# Altium PCB higgs.PcbDoc (part 13 of 25)
Units mm, origin at the board's own origin, x right, y up, seen from the top; angles counter-clockwise.
Board outline 160 x 160 mm, 15 copper layers (TOP, P1(GND), S1(V), P2(GND), S2(H), P3(GND), S3(V12/V2V5), S4(VDDR), P4(GND), S5(V), P5(GND), S6(H), P6(GND), P1(GND) (Plane1), BOT), stack 3.262 mm thick; 1283 components, 2419 nets, 11066 pads, 5487 vias.
Unrouted connection lines stored in the file: 239.
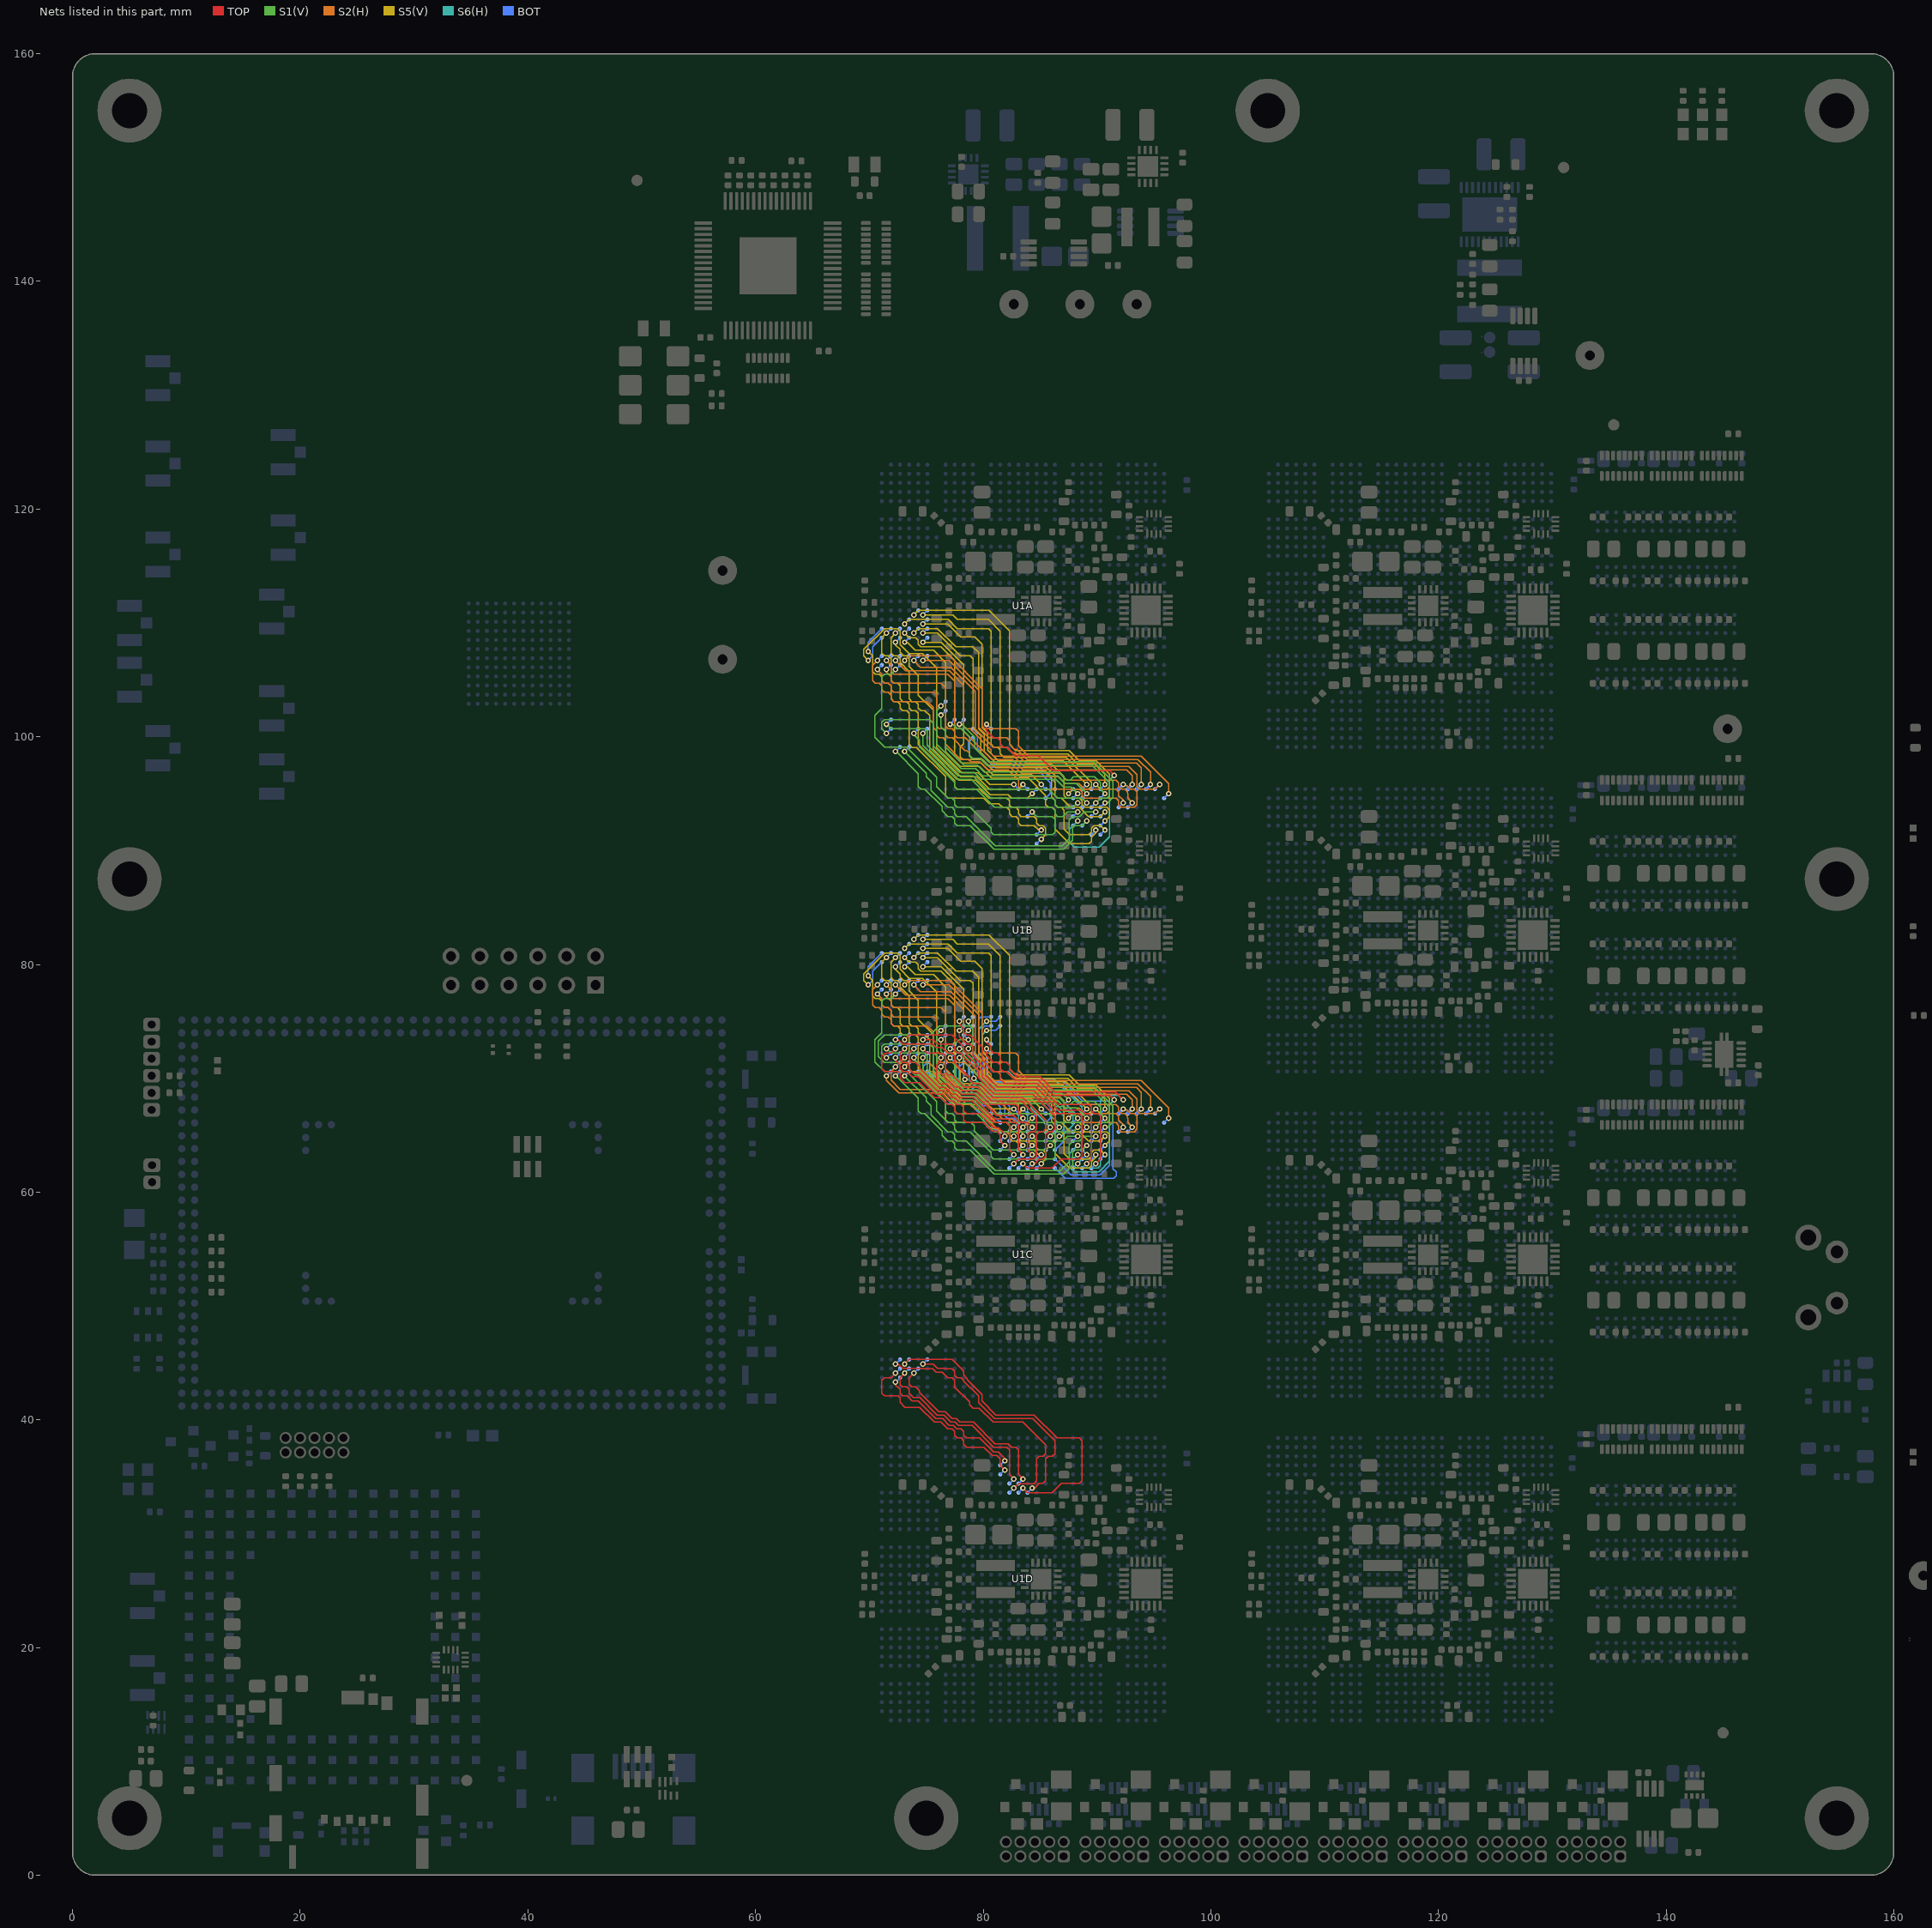
[diagram p26: the nets of this part, all layers, seen from the top]

## Via types
v1: diameter 0.483, hole 0.254, TOP to BOT, tented both sides, 5146 vias
v2: diameter 0.457, hole 0.254, TOP to BOT, tented both sides, 278 vias
v3: diameter 0.5, hole 0.25, TOP to BOT, 50 vias
v4: diameter 0.483/0/0/0/0.483/0/0/0.483 (per signal layer), hole 0.254, TOP to BOT, tented both sides, 7 vias
v5: diameter 0.483, hole 0.254, TOP to BOT, tented bottom, 5 vias
v6: diameter 0.483, hole 0.254, TOP to BOT, 1 vias

## Nets (pads, with @x,y where several pads share a name; then routed paths per layer and width w, separated by ;. In a path a pad name is that pad's centre, name@x,y a point inside that pad or via, vN(x,y) a via of type N, cw(c..) or ccw(c..) an arc to the next point about the centre after c; other vN are vias at no path point) (continued)
IL12_20.LR.G2.S_P: U1A.N30 U1B.AB5 | length 26.5
  TOP w0.102: v1(80.3,101.1) 80.3,100.536 80.935,99.901 81.264,99.901 81.499,99.665 81.499,99.336 81.735,99.101 82.064,99.101 82.832,98.333 84.856,98.333 86.19,96.999 91.118,96.999 v1@91.509,96.609
  S6(H) w0.102: v1(88.3,92.6) 87.596,91.896 87.596,90.708 88.009,90.295 90.191,90.295 91.099,91.204 91.099,96.199 v1(91.5,96.6)
  BOT w0.102: v1(80.3,101.1) U1A.N30@80.7,100.7 ; U1B.AB5@87.9,92.2 v1(88.3,92.6)
IL12_20.LR.G3.D0_N: U1A.E30 U1B.AB4 | length 19.5
  S1(V) w0.102: v1(73.9,100.3) 73.9,100.18 74.395,99.685 74.395,99.116 77.501,96.011 77.501,95.635 77.736,95.4 79.416,95.4 81.017,93.799 86.065,93.799 86.301,93.564 86.301,93.235 86.535,93.001 87,93.001 87.399,93.4 v1(88.3,93.4)
  BOT w0.102: v1(73.9,100.3) U1A.E30@74.3,100.7 ; U1B.AB4@87.9,93 v1(88.3,93.4)
IL12_20.LR.G3.D0_P: U1A.F30 U1B.AB3 | length 18.4
  S1(V) w0.102: v1(74.7,100.3) 74.7,99.242 77.67,96.272 78.975,96.272 80.647,94.6 86.105,94.6 86.299,94.405 86.299,94.3 86.301,94.298 86.301,94.035 86.535,93.801 86.998,93.801 87,93.799 87.899,93.799 v1(88.3,94.2)
  BOT w0.102: v1(74.7,100.3) U1A.F30@75.1,100.7 ; U1B.AB3@87.9,93.8 v1(88.3,94.2)
IL12_20.LR.G3.D1_N: U1A.D32 U1B.AD4 | length 24.4
  S1(V) w0.102: v1(73.099,98.699) 74.998,96.8 74.998,96.497 75.404,96.092 75.404,95.292 76.896,93.799 77.265,93.799 77.499,93.565 77.499,93.302 77.501,93.3 77.501,93.235 77.735,93.001 78.495,93.001 81.091,90.405 86.949,90.405 87.57,91.026 87.57,92.668 87.901,92.999 88.464,92.999 88.864,93.4 v1(89.9,93.4)
  BOT w0.102: v1(73.099,98.699) U1A.D32@73.5,99.1 ; U1B.AD4@89.5,93 v1(89.9,93.4)
IL12_20.LR.G3.D1_P: U1A.C32 U1B.AC5 | length 24.3
  S1(V) w0.102: v1@72.299,98.699 72.365,98.699 74.299,96.765 74.299,95.637 74.536,95.399 74.865,95.399 76.394,93.87 76.394,93.501 76.895,93 77.264,93 77.501,92.764 77.501,92.435 77.735,92.201 78.864,92.201 80.964,90.1 87.075,90.1 87.875,90.9 87.875,92.076 87.998,92.199 88.699,92.199 v1(89.1,92.6)
  BOT w0.102: v1@72.299,98.699 U1A.C32@72.7,99.1 ; U1B.AC5@88.7,92.2 v1(89.1,92.6)
  other v1: 72.3,98.7
IL12_20.LR.G3.D2_N: U1A.L30 U1B.Y1 | length 10.6
  BOT w0.102: U1A.L30@79.1,100.7 79.5,100.3 79.5,99 79.691,98.809 79.691,98.609 80.695,97.605 84.695,97.605 86.3,96 U1B.Y1@86.3,95.4
IL12_20.LR.G3.D2_P: U1A.L31 U1B.W2 | length 11.4
  BOT w0.102: U1A.L31@79.1,99.9 78.7,99.5 78.7,98.9 78.795,98.805 78.795,98.569 78.799,98.565 78.799,98.337 79.035,98.101 79.768,98.101 80.569,97.3 84.569,97.3 85.9,95.969 85.9,95 U1B.W2@85.5,94.6
IL12_20.LR.G3.D3_N: U1A.K29 U1B.AE3 | length 19.6
  S1(V) w0.102: v1(77.9,101.1) 78.136,101.1 79.264,99.971 79.264,99 80.464,97.8 89.695,97.8 91.404,96.092 91.404,94.668 90.936,94.2 v1(90.7,94.2)
  BOT w0.102: v1(77.9,101.1) U1A.K29@78.3,101.5 ; U1B.AE3@90.3,93.8 v1(90.7,94.2)
IL12_20.LR.G3.D3_P: U1A.J29 U1B.AD3 | length 20.9
  S1(V) w0.102: v1(77.1,101.1) 77.336,101.1 77.736,100.7 78.105,100.7 78.799,100.005 78.799,98.3 78.998,98.101 79.732,98.101 80.338,97.495 89.569,97.495 91.099,95.965 91.099,94.835 90.864,94.6 90.3,94.6 v1(89.9,94.2) v1@89.9,94.202
  BOT w0.102: v1(77.1,101.1) U1A.J29@77.5,101.5 ; U1B.AD3@89.5,93.8 v1(89.9,94.2)
IL12_20.LR.G3.D4_N: U1A.H28 U1B.AE2 | length 20.3
  S1(V) w0.102: v1(76.3,101.9) 76.3,100.864 76.699,100.465 76.699,99.105 78.313,97.491 79.48,97.491 80.086,96.886 86.65,96.886 87.335,96.201 87.665,96.201 87.937,96.472 89.792,96.472 90.299,95.965 90.299,95.801 90.301,95.799 90.301,95.401 90.7,95.002 v1(90.7,95)
  BOT w0.102: v1(76.3,101.9) U1A.H28@76.7,102.3 ; U1B.AE2@90.3,94.6 v1(90.7,95)
IL12_20.LR.G3.D4_P: U1A.H27 U1B.AC2 | length 19.7
  S1(V) w0.102: v1(76.3,102.7) 75.901,102.301 75.901,99.335 78.049,97.187 79.354,97.187 79.959,96.581 86.524,96.581 87.208,95.896 88.204,95.896 v1(89.1,95)
  BOT w0.102: v1(76.3,102.7) U1A.H27@76.7,103.1 ; U1B.AC2@88.7,94.6 v1(89.1,95)
IL12_20.LR.G3.S_N: U1A.B30 U1B.AB2 | length 23.4
  S1(V) w0.102: v1(71.5,100.3) 71.101,100.699 71.101,101.265 71.335,101.499 72.299,101.499 ; v1(88.3,95) 87.709,95.591 87.082,95.591 86.397,96.276 79.833,96.276 79.227,96.882 77.923,96.882 75.596,99.208 75.596,101.196 75.292,101.5 72.3,101.5 ; 72.299,101.499 72.3,101.5
  BOT w0.102: v1(71.5,100.3) U1A.B30@71.9,100.7 ; U1B.AB2@87.9,94.6 v1(88.3,95)
IL12_20.LR.G3.S_P: U1A.B29 U1B.AC3 | length 22.3
  S1(V) w0.102: v1(71.5,101.1) 71.9,100.7 74.864,100.7 75.099,100.465 75.099,99.274 77.797,96.577 79.101,96.577 80.277,95.401 85.735,95.401 86.535,94.601 86.798,94.601 86.8,94.599 88.701,94.599 v1(89.1,94.2)
  BOT w0.102: v1(71.5,101.1) U1A.B29@71.9,101.5 ; U1B.AC3@88.7,93.8 v1(89.1,94.2)
IL12_20.TB.G8.D0_N: U1A.B22 U1B.AH1 | length 30.4
  S2(H) w0.102: v1(71.5,106.7) 71.901,106.299 71.901,105.735 72.136,105.5 76.9,105.5 77.5,104.9 77.5,100.936 77.735,100.701 78.064,100.701 80.768,97.996 81.873,97.996 81.874,97.995 82.567,97.995 83.48,97.082 92.618,97.082 93.1,96.6 v1(93.1,95.8)
  BOT w0.102: v1(71.5,106.7) U1A.B22@71.9,107.1
  BOT w0.254: U1B.AH1@92.7,95.4 v1(93.1,95.8)
IL12_20.TB.G8.D0_P: U1A.A22 U1B.AG1 | length 36.1
  S2(H) w0.102: v1(70.7,106.7) 70.3,106.3 70.3,104.936 70.536,104.699 70.865,104.699 71.099,104.465 71.099,104.136 71.336,103.899 71.665,103.899 71.899,103.665 71.899,103.601 71.901,103.599 71.901,103.335 72.135,103.101 75.095,103.101 75.596,102.6 75.596,100.808 75.901,100.504 75.901,100.135 76.136,99.899 76.465,99.899 76.699,99.665 76.699,99.336 78.035,98.001 78.704,98.001 78.908,97.796 79.675,97.796 80.39,97.082 81.3,97.082 81.301,97.081 82.188,97.081 83.1,96.169 83.1,95.867 83.101,95.866 83.101,95.635 83.335,95.401 83.599,95.401 83.6,95.4 87.8,95.4 ; 87.801,95.399 88.465,95.399 88.699,95.165 88.699,94.902 88.701,94.9 88.701,94.835 88.935,94.601 89.735,94.601 89.736,94.599 91.665,94.599 91.899,94.365 91.899,94.101 91.901,94.099 91.901,94.035 92.135,93.801 93.265,93.801 93.499,94.035 93.499,95 93.499,95.165 93.265,95.399 92.936,95.399 92.631,95.705 92.395,95.705 v1(92.3,95.8)
  BOT w0.102: v1(70.7,106.7) U1A.A22@71.1,107.1
  BOT w0.254: U1B.AG1@91.9,95.4 v1(92.3,95.8)
IL12_20.TB.G8.D1_N: U1A.D22 U1B.AM2 | length 32.7
  S2(H) w0.102: v1(73.1,106.7) 73.499,107.099 77.025,107.099 79.901,104.223 79.901,103.4 79.901,101.9 79.901,101.265 79.901,100.935 80.135,100.701 82.864,100.701 83.099,100.465 83.099,99.187 83.985,98.301 93.899,98.301 96.3,95.9 v1(96.3,95)
  BOT w0.102: v1(73.1,106.7) U1A.D22@73.5,107.1 ; U1B.AM2@95.9,94.6 v1(96.3,95)
IL12_20.TB.G8.D1_P: U1A.C22 U1B.AL1 | length 32.1
  S2(H) w0.102: v1(72.3,106.7) 73.195,105.805 77.026,105.805 78.3,104.531 78.3,100.936 78.535,100.701 78.842,100.701 80.701,98.842 80.701,98.535 80.935,98.301 81.999,98.301 82,98.3 82.693,98.3 83.607,97.387 92.8,97.387 93.5,96.687 93.5,95.8 93.501,95.799 93.501,95.635 93.736,95.4 95.1,95.4 v1(95.5,95.8)
  BOT w0.102: v1(72.3,106.7) U1A.C22@72.7,107.1 ; U1B.AL1@95.1,95.4 v1(95.5,95.8)
IL12_20.TB.G8.D2_N: U1A.F22 U1B.AK1 | length 28.4
  S2(H) w0.102: v1(74.7,106.7) 76.993,106.7 79.596,104.097 79.596,100.808 80.504,99.901 82.064,99.901 82.299,99.665 82.299,99.337 82.726,98.91 82.946,98.91 83.859,97.996 93.604,97.996 94.7,96.9 v1(94.7,95.8)
  BOT w0.102: v1(74.7,106.7) U1A.F22@75.1,107.1
  BOT w0.254: U1B.AK1@94.3,95.4 v1(94.7,95.8)
IL12_20.TB.G8.D2_P: U1A.E22 U1B.AJ1 | length 28.4
  S2(H) w0.102: v1(73.9,106.7) 74.49,106.11 77.153,106.11 79.291,103.971 79.291,100.682 80.873,99.101 82.104,99.101 82.6,98.605 82.819,98.605 83.733,97.691 93.478,97.691 93.9,97.269 v1(93.9,95.8)
  BOT w0.102: v1(73.9,106.7) U1A.E22@74.3,107.1
  BOT w0.254: U1B.AJ1@93.5,95.4 v1(93.9,95.8)
IL12_20.TB.G8.D3_N: U1A.B23 U1B.AH3 | length 30.6
  S2(H) w0.102: v1(71.5,105.9) 71.5,105.664 71.899,105.265 71.899,105.001 71.901,104.999 71.901,104.935 72.136,104.7 76.299,104.7 76.701,104.298 76.701,100.935 76.935,100.701 77.264,100.701 77.501,100.464 77.501,100.135 77.735,99.901 78.432,99.901 80.642,97.691 81.747,97.691 ; v1(93.1,94.2) 93.1,94.202 92.701,94.601 92.701,94.999 92.699,95.001 92.699,95.165 92.464,95.4 92.136,95.4 91.899,95.636 91.899,95.965 91.665,96.199 91.302,96.199 91.3,96.201 87.335,96.201 86.759,96.777 83.354,96.777 82.441,97.69 81.748,97.69 ; 81.747,97.691 81.748,97.69
  BOT w0.102: v1(71.5,105.9) U1A.B23@71.9,106.3 ; U1B.AH3@92.7,93.8 v1(93.1,94.2)
IL12_20.TB.G8.D3_P: U1A.A23 U1B.AG3 | length 30.4
  S2(H) w0.102: v1(70.7,105.9) 71.099,105.501 71.099,104.936 71.336,104.699 71.665,104.699 71.901,104.464 71.901,104.135 72.135,103.901 75.699,103.901 75.901,103.699 75.901,101.265 75.901,100.935 76.136,100.699 76.465,100.699 76.699,100.465 76.699,100.137 76.935,99.901 77.304,99.901 78.405,98.799 78.565,98.799 78.799,98.565 78.799,98.337 79.035,98.101 79.801,98.101 80.516,97.387 81.62,97.387 81.621,97.386 82.314,97.386 83.228,96.472 86.632,96.472 87.208,95.896 88.439,95.896 88.936,95.4 91.6,95.4 ; 91.601,95.399 91.665,95.399 91.901,95.164 91.901,94.835 92.3,94.436 v1(92.3,94.2)
  BOT w0.102: v1(70.7,105.9) U1A.A23@71.1,106.3 ; U1B.AG3@91.9,93.8 v1(92.3,94.2)
IL12_20.TB.G13.C_N: U1A.F17 U1B.AE1 | length 29.6
  S5(V) w0.102: v1(74.7,110.7) 77.336,110.7 77.735,110.301 80.464,110.301 81.499,109.265 81.499,109.101 81.5,99.336 81.735,99.101 81.999,99.101 82.001,99.099 82.065,99.099 82.668,98.497 87.426,98.497 88.327,97.595 89.8,97.595 90.7,96.695 v1(90.7,95.8)
  BOT w0.102: v1(74.7,110.7) U1A.F17@75.1,111.1 ; U1B.AE1@90.3,95.4 v1(90.7,95.8)
IL12_20.TB.G13.C_P: U1A.E17 U1B.AD1 | length 32.8
  S5(V) w0.102: v1(73.9,110.7) 74.3,111.1 80.5,111.1 82.299,109.301 82.299,99.336 82.834,98.802 87.552,98.802 88.453,97.9 89.926,97.9 91.099,96.727 91.099,95.635 90.865,95.401 90.299,95.401 v1(89.9,95.8)
  BOT w0.102: v1(73.9,110.7) U1A.E17@74.3,111.1 ; U1B.AD1@89.5,95.4 v1(89.9,95.8)
IL12_20.TB.G13.D0_N: U1A.F18 U1B.AC1 | length 26.5
  S5(V) w0.102: v1(74.7,109.9) 76.905,109.9 78.037,108.768 79.268,108.768 79.901,108.135 79.901,101.1 79.901,100.836 80.394,100.342 80.394,98.841 81.348,97.887 87.013,97.887 v1(89.1,95.8)
  BOT w0.102: v1(74.7,109.9) U1A.F18@75.1,110.3 ; U1B.AC1@88.7,95.4 v1(89.1,95.8)
IL12_20.TB.G13.D0_P: U1A.D18 U1B.AB1 | length 32.3
  S5(V) w0.102: v1(73.1,109.9) v1(73.1,109.9) 73.501,110.299 73.899,110.299 ; 73.9,110.3 76.936,110.3 77.735,109.501 80.464,109.501 80.699,109.265 80.699,99.6 80.701,99.598 80.701,99.335 80.936,99.099 81.265,99.099 81.5,98.864 81.5,98.536 81.844,98.192 87.299,98.192 89.5,95.991 89.5,95.636 89.265,95.401 87.901,95.401 v1(87.5,95)
  BOT w0.102: v1(73.1,109.9) U1A.D18@73.5,110.3 ; v1(87.5,95) U1B.AB1@87.9,95.4
IL12_20.TB.G13.D1_N: U1A.B19 U1B.V7 | length 29.5
  S5(V) w0.102: v1(71.5,109.1) 71.101,108.701 71.101,107.335 71.336,107.099 71.665,107.099 71.899,106.865 71.899,106.701 71.901,106.699 71.901,104.935 72.135,104.701 72.464,104.701 72.701,104.464 72.701,103.335 72.935,103.101 73.098,103.101 73.1,103.099 73.265,103.099 73.501,102.864 73.501,102.535 73.736,102.299 74.065,102.299 74.301,102.064 74.301,99.344 77.499,96.146 77.499,95.636 77.736,95.4 79.695,95.4 80.496,94.599 82.065,94.599 82.299,94.365 82.299,94.035 82.28,94.016 82.496,93.799 82.865,93.799 83.099,93.565 83.099,93.236 83.336,92.999 84.465,92.999 84.699,92.765 84.699,92.401 84.9,92.2 85.264,92.2 85.499,91.965 85.499,91.399 v1(85.1,91)
  BOT w0.102: v1(71.5,109.1) U1A.B19@71.9,109.5 ; U1B.V7@84.7,90.6 v1(85.1,91)
IL12_20.TB.G13.D1_P: U1A.A19 U1B.V6 | length 29.6
  S5(V) w0.102: v1(69.9,107.5) 70.3,107.1 70.3,106.601 ; 70.301,106.6 70.301,105.735 70.536,105.499 70.865,105.499 71.101,105.264 71.101,104.935 71.335,104.701 71.664,104.701 71.899,104.465 71.899,103.336 72.135,103.101 72.464,103.101 72.7,102.864 72.7,102.7 ; 72.701,102.7 72.701,102.535 72.936,102.299 73.265,102.299 73.499,102.065 73.499,99.336 73.779,99.057 74.157,99.057 76.701,96.513 76.701,94.835 76.936,94.599 80.065,94.599 80.561,94.104 81.392,94.104 81.696,93.799 82.065,93.799 82.301,93.564 82.301,93.235 82.536,92.999 82.865,92.999 83.101,92.764 83.101,92.435 83.335,92.201 84.464,92.201 84.864,91.8 v1(85.1,91.8)
  BOT w0.102: v1(69.9,107.5) 69.9,108.3 U1A.A19@71.1,109.5 ; U1B.V6@84.7,91.4 v1(85.1,91.8)
IL12_20.TB.G13.D2_N: U1A.D19 U1B.W1 | length 23.8
  S5(V) w0.102: v1(73.1,109.1) 73.501,108.699 74.065,108.699 74.3,108.464 74.3,108.136 74.535,107.901 76.306,107.901 77.501,106.706 77.501,98.304 78.108,97.696 79.815,97.696 80.843,96.668 84.232,96.668 v1(85.1,95.8)
  BOT w0.102: v1(73.1,109.1) U1A.D19@73.5,109.5 ; v1(85.1,95.8) U1B.W1@85.5,95.4
IL12_20.TB.G13.D2_P: U1A.C19 U1B.V1 | length 24.5
  S5(V) w0.102: v1(72.3,109.1) 71.9,108.7 71.9,107.336 72.135,107.101 72.464,107.101 72.699,106.865 72.699,106.537 73.5,105.736 73.5,103.8 ; 73.501,103.799 73.501,103.335 73.735,103.101 74.064,103.101 74.299,102.865 74.299,102.7 74.301,102.698 74.301,102.535 74.536,102.299 74.865,102.299 75.291,101.873 75.291,98.785 77.877,96.199 79.327,96.199 80.623,94.904 82.192,94.904 82.495,94.601 83.901,94.601 v1(84.3,95)
  BOT w0.102: v1(72.3,109.1) U1A.C19@72.7,109.5 ; v1(84.3,95) U1B.V1@84.7,95.4
IL12_20.TB.G13.D3_N: U1A.F19 U1B.AE4 | length 29.4
  S5(V) w0.102: v1(74.7,109.1) 75.969,109.1 77.969,107.1 78.864,107.1 79.099,106.865 79.099,100.775 79.785,100.09 79.785,98.589 81.096,97.278 85.608,97.278 86.301,96.585 86.301,94.835 86.536,94.599 86.865,94.599 87.664,93.801 88.298,93.801 88.3,93.799 88.465,93.799 89.264,93.001 90.301,93.001 v1(90.7,93.4)
  BOT w0.102: v1(74.7,109.1) U1A.F19@75.1,109.5 ; U1B.AE4@90.3,93 v1(90.7,93.4)
IL12_20.TB.G13.D3_P: U1A.E19 U1B.AE5 | length 32.2
  S5(V) w0.102: v1(73.9,109.1) 74.299,109.499 76.001,109.499 77.599,107.901 79.095,107.901 79.596,107.4 79.596,100.709 80.09,100.216 80.09,98.715 81.222,97.582 86.018,97.582 87.1,96.5 87.1,94.836 87.336,94.599 88.465,94.599 88.699,94.365 88.699,94.2 88.701,94.198 88.701,94.035 88.935,93.801 89.217,93.801 89.218,93.8 90.3,93.8 ; v1(90.7,92.6) 91.099,92.999 91.099,93.565 90.865,93.799 90.301,93.799 ; 90.3,93.8 90.301,93.799
  BOT w0.102: v1(73.9,109.1) U1A.E19@74.3,109.5 ; U1B.AE5@90.3,92.2 v1(90.7,92.6)
IL12_20.TB.G13.D4_N: U1A.C20 U1B.U1 | length 21.6
  S5(V) w0.102: v1(72.3,108.3) 72.3,108.064 72.699,107.665 72.699,107.401 73.001,107.099 73.265,107.099 73.499,106.865 73.499,106.168 74.299,105.368 74.299,105.001 ; 74.3,105 74.3,103.664 75.596,102.368 75.596,98.911 78.003,96.504 79.454,96.504 80.557,95.401 83.101,95.401 v1(83.5,95.8)
  BOT w0.102: v1(72.3,108.3) U1A.C20@72.7,108.7 ; v1(83.5,95.8) U1B.U1@83.9,95.4
IL12_20.TB.G13.D4_P: U1A.A20 U1B.T1 | length 28.6
  S5(V) w0.102: v1(69.9,106.7) 69.501,107.099 69.501,107.665 71.335,109.499 72.465,109.499 72.699,109.265 72.699,108.096 73.504,107.291 74.673,107.291 75.901,106.064 75.901,99.037 78.129,96.809 79.58,96.809 80.589,95.8 v1(82.7,95.8)
  BOT w0.102: v1(69.9,106.7) 70.3,107.1 70.3,107.9 U1A.A20@71.1,108.7 ; v1(82.7,95.8) U1B.T1@83.1,95.4
IL12_20.TB.G13.D5_N: U1A.F20 U1B.AE6 | length 32.2
  S5(V) w0.102: v1(74.7,108.3) 76.338,108.3 78.3,106.338 78.3,99.4 78.001,99.101 78.001,98.235 78.235,98.001 79.942,98.001 80.97,96.973 85.482,96.973 85.996,96.458 85.996,94.708 86.302,94.402 86.302,94.367 86.301,94.365 86.301,94.035 86.535,93.801 86.702,93.801 ; 86.702,93.799 86.865,93.799 87.099,93.565 87.099,91.901 87.599,91.401 89.265,91.401 89.499,91.635 89.499,91.964 89.735,92.199 90.098,92.199 90.1,92.201 90.299,92.201 v1(90.7,91.8)
  BOT w0.102: v1(74.7,108.3) U1A.F20@75.1,108.7 ; U1B.AE6@90.3,91.4 v1(90.7,91.8)
IL12_20.TB.G13.D5_P: U1A.D20 U1B.AD6 | length 32.2
  S5(V) w0.102: v1(73.1,108.3) 73.336,108.3 74.039,107.596 75.635,107.596 76.701,106.53 76.701,98.668 77.978,97.391 79.689,97.391 80.717,96.363 83.972,96.363 85.501,94.835 85.501,94.035 85.736,93.799 86.065,93.799 86.299,93.565 86.299,91.901 87.599,90.601 89.301,90.601 89.501,90.801 89.501,91.165 89.9,91.564 v1(89.9,91.8)
  BOT w0.102: v1(73.1,108.3) U1A.D20@73.5,108.7 ; U1B.AD6@89.5,91.4 v1(89.9,91.8)
IL12_20.TB.G13.D6: U1A.C23 U1B.U4 | length 32.5
  S1(V) w0.102: v1(72.3,105.9) 71.899,105.499 71.335,105.499 71.1,105.264 71.1,102.495 70.491,101.887 70.491,99.944 71.335,99.101 73.262,99.101 75.901,96.462 75.901,95.635 76.936,94.599 77.265,94.599 77.501,94.364 77.501,94.035 77.735,93.801 78.864,93.801 80.701,91.964 80.701,91.635 80.935,91.401 86.101,91.401 86.299,91.599 86.299,92.765 86.064,93 85.5,93 ; v1(84.3,93.4) 84.699,93.001 86.064,93.001
  BOT w0.102: v1(72.3,105.9) U1A.C23@72.7,106.3 ; U1B.U4@83.9,93 v1(84.3,93.4)
IL12_21.LR.G0.D0_N: U1B.D28 U1C.T7 | length 29.8
  TOP w0.102: v1(73.1,73.4) 73.499,73.799 74.699,73.799 ; 74.7,73.8 76.5,73.8 ; 76.501,73.799 77.265,73.799 78.064,73.001 78.299,72.765 78.299,72.437 78.604,72.132 78.604,72.023 79.904,70.723 79.904,70.14 81.126,68.918 84.477,68.918 86.496,66.899 88.465,66.899 88.699,66.665 88.699,63.135 88.465,62.901 86.865,62.901 86.065,62.101 83.899,62.101 v1(83.5,62.5)
  BOT w0.102: v1(73.1,73.4) U1B.D28@73.5,73.8 ; U1C.T7@83.1,62.1 v1(83.5,62.5)
IL12_21.LR.G0.D0_P: U1B.C28 U1C.R7 | length 23.7
  TOP w0.102: v1(72.3,73.4) 72.536,73.4 72.935,73.001 74.699,73.001 ; 74.7,73 75.569,73 75.873,72.696 76.399,72.696 76.895,72.201 77.264,72.201 77.501,71.964 77.501,71.364 78.801,70.064 78.801,69.835 79.108,69.528 79.654,69.528 80.873,68.309 83.487,68.309 85.5,66.295 85.5,65.8 85.499,65.799 85.499,65.535 85.264,65.299 84.935,65.299 84.701,65.065 84.701,63.352 84.699,63.35 84.699,63.135 84.464,62.9 83.1,62.9 v1(82.7,62.5)
  BOT w0.102: v1(72.3,73.4) U1B.C28@72.7,73.8 ; U1C.R7@82.3,62.1 v1(82.7,62.5)
IL12_21.LR.G0.D1_N: U1B.C30 U1C.P4 | length 14.2
  TOP w0.102: v1(72.3,71.8) 72.3,71.564 72.699,71.165 72.699,70.837 72.935,70.601 73.304,70.601 73.767,70.138 74.305,70.138 75.838,68.605 76.422,68.605 77.023,68.004 77.392,68.004 77.696,67.699 78.065,67.699 78.301,67.464 78.301,67.135 78.535,66.901 79.695,66.901 80.926,65.669 81.326,65.669 81.9,65.095 v1(81.9,64.9)
  BOT w0.102: v1(72.3,71.8) U1B.C30@72.7,72.2 ; U1C.P4@81.5,64.5 v1(81.9,64.9)
IL12_21.LR.G0.D1_P: U1B.C29 U1C.P5 | length 18.2
  TOP w0.102: v1(72.3,72.6) 72.298,72.6 71.899,72.201 71.501,72.201 71.499,72.199 71.335,72.199 71.101,71.965 71.101,71.165 71.101,70.835 71.335,70.601 72.504,70.601 72.7,70.405 72.7,70.034 73.134,69.6 74.411,69.6 75.711,68.3 76.295,68.3 76.896,67.699 77.265,67.699 77.501,67.464 77.501,67.135 77.736,66.899 78.065,66.899 78.299,66.665 78.299,66.336 78.535,66.101 80.064,66.101 80.8,65.364 81.2,65.364 81.499,65.065 81.499,64.501 v1(81.9,64.1)
  BOT w0.102: v1(72.3,72.6) U1B.C29@72.7,73 ; U1C.P5@81.5,63.7 v1(81.9,64.1)
IL12_21.LR.G0.D2_N: U1B.E29 U1C.T6 | length 17.1
  TOP w0.102: v1(73.9,72.6) 73.501,72.201 73.501,71.635 73.735,71.401 74.064,71.401 74.4,71.064 74.4,70.905 76.09,69.214 76.674,69.214 77.275,68.614 77.644,68.614 77.949,68.309 79.149,68.309 81.054,66.404 82.192,66.404 82.496,66.099 82.865,66.099 83.099,65.865 83.099,63.701 v1(83.5,63.3)
  BOT w0.102: v1(73.9,72.6) U1B.E29@74.3,73 ; U1C.T6@83.1,62.9 v1(83.5,63.3)
IL12_21.LR.G0.D2_P: U1B.D29 U1C.R6 | length 17.2
  TOP w0.102: v1(73.1,72.6) 72.701,72.201 72.701,71.6 72.902,71.399 73.265,71.399 73.499,71.165 73.499,70.836 73.893,70.442 74.431,70.442 75.964,68.91 76.548,68.91 77.149,68.309 77.518,68.309 77.823,68.004 79.023,68.004 80.927,66.099 82.065,66.099 82.299,65.865 82.299,63.701 v1(82.7,63.3)
  BOT w0.102: v1(73.1,72.6) U1B.D29@73.5,73 ; U1C.R6@82.3,62.9 v1(82.7,63.3)
IL12_21.LR.G0.D3_N: U1B.F28 U1C.U7 | length 21.6
  TOP w0.102: v1(74.7,73.4) 75.6,73.4 75.999,73.001 76.6,73.001 76.602,72.999 77.265,72.999 77.499,72.765 77.499,72.601 77.501,72.599 77.501,72.435 77.735,72.201 78.064,72.201 78.299,71.965 78.299,71.896 79.599,70.596 79.599,70.014 80.999,68.614 84.351,68.614 86.301,66.664 86.301,65.85 86.299,65.848 86.299,65.535 86.065,65.301 85.736,65.301 85.499,65.064 85.499,63.135 85.265,62.901 85.225,62.901 84.936,62.901 84.536,62.5 v1(84.3,62.5)
  BOT w0.102: v1(74.7,73.4) U1B.F28@75.1,73.8 ; U1C.U7@83.9,62.1 v1(84.3,62.5)
IL12_21.LR.G0.D3_P: U1B.F29 U1C.U6 | length 18.5
  TOP w0.102: v1(74.7,72.6) 75.1,72.2 76.136,72.2 76.136,72.199 76.465,72.199 76.699,71.965 76.699,70.483 76.883,70.299 77.252,70.299 78.328,69.223 79.528,69.223 80.747,68.004 83.361,68.004 84.699,66.665 84.699,65.535 84.465,65.301 84.136,65.301 83.9,65.064 83.9,63.7 v1(84.3,63.3)